# Altium PCB Proyecto_0 - V2.PcbDoc (part 4 of 6)
Units mil, origin at the board's own origin, x right, y up, seen from the top; angles counter-clockwise.
Board outline 2559.06 x 1771.65 mil, 10 copper layers (TOP, GND[1], VDD[1], Signal[1], GND[2], VDD[2], Signal[2], GND[3], VDD[3], BOT), stack 79.883 mil thick; 188 components, 257 nets, 1108 pads, 915 vias.
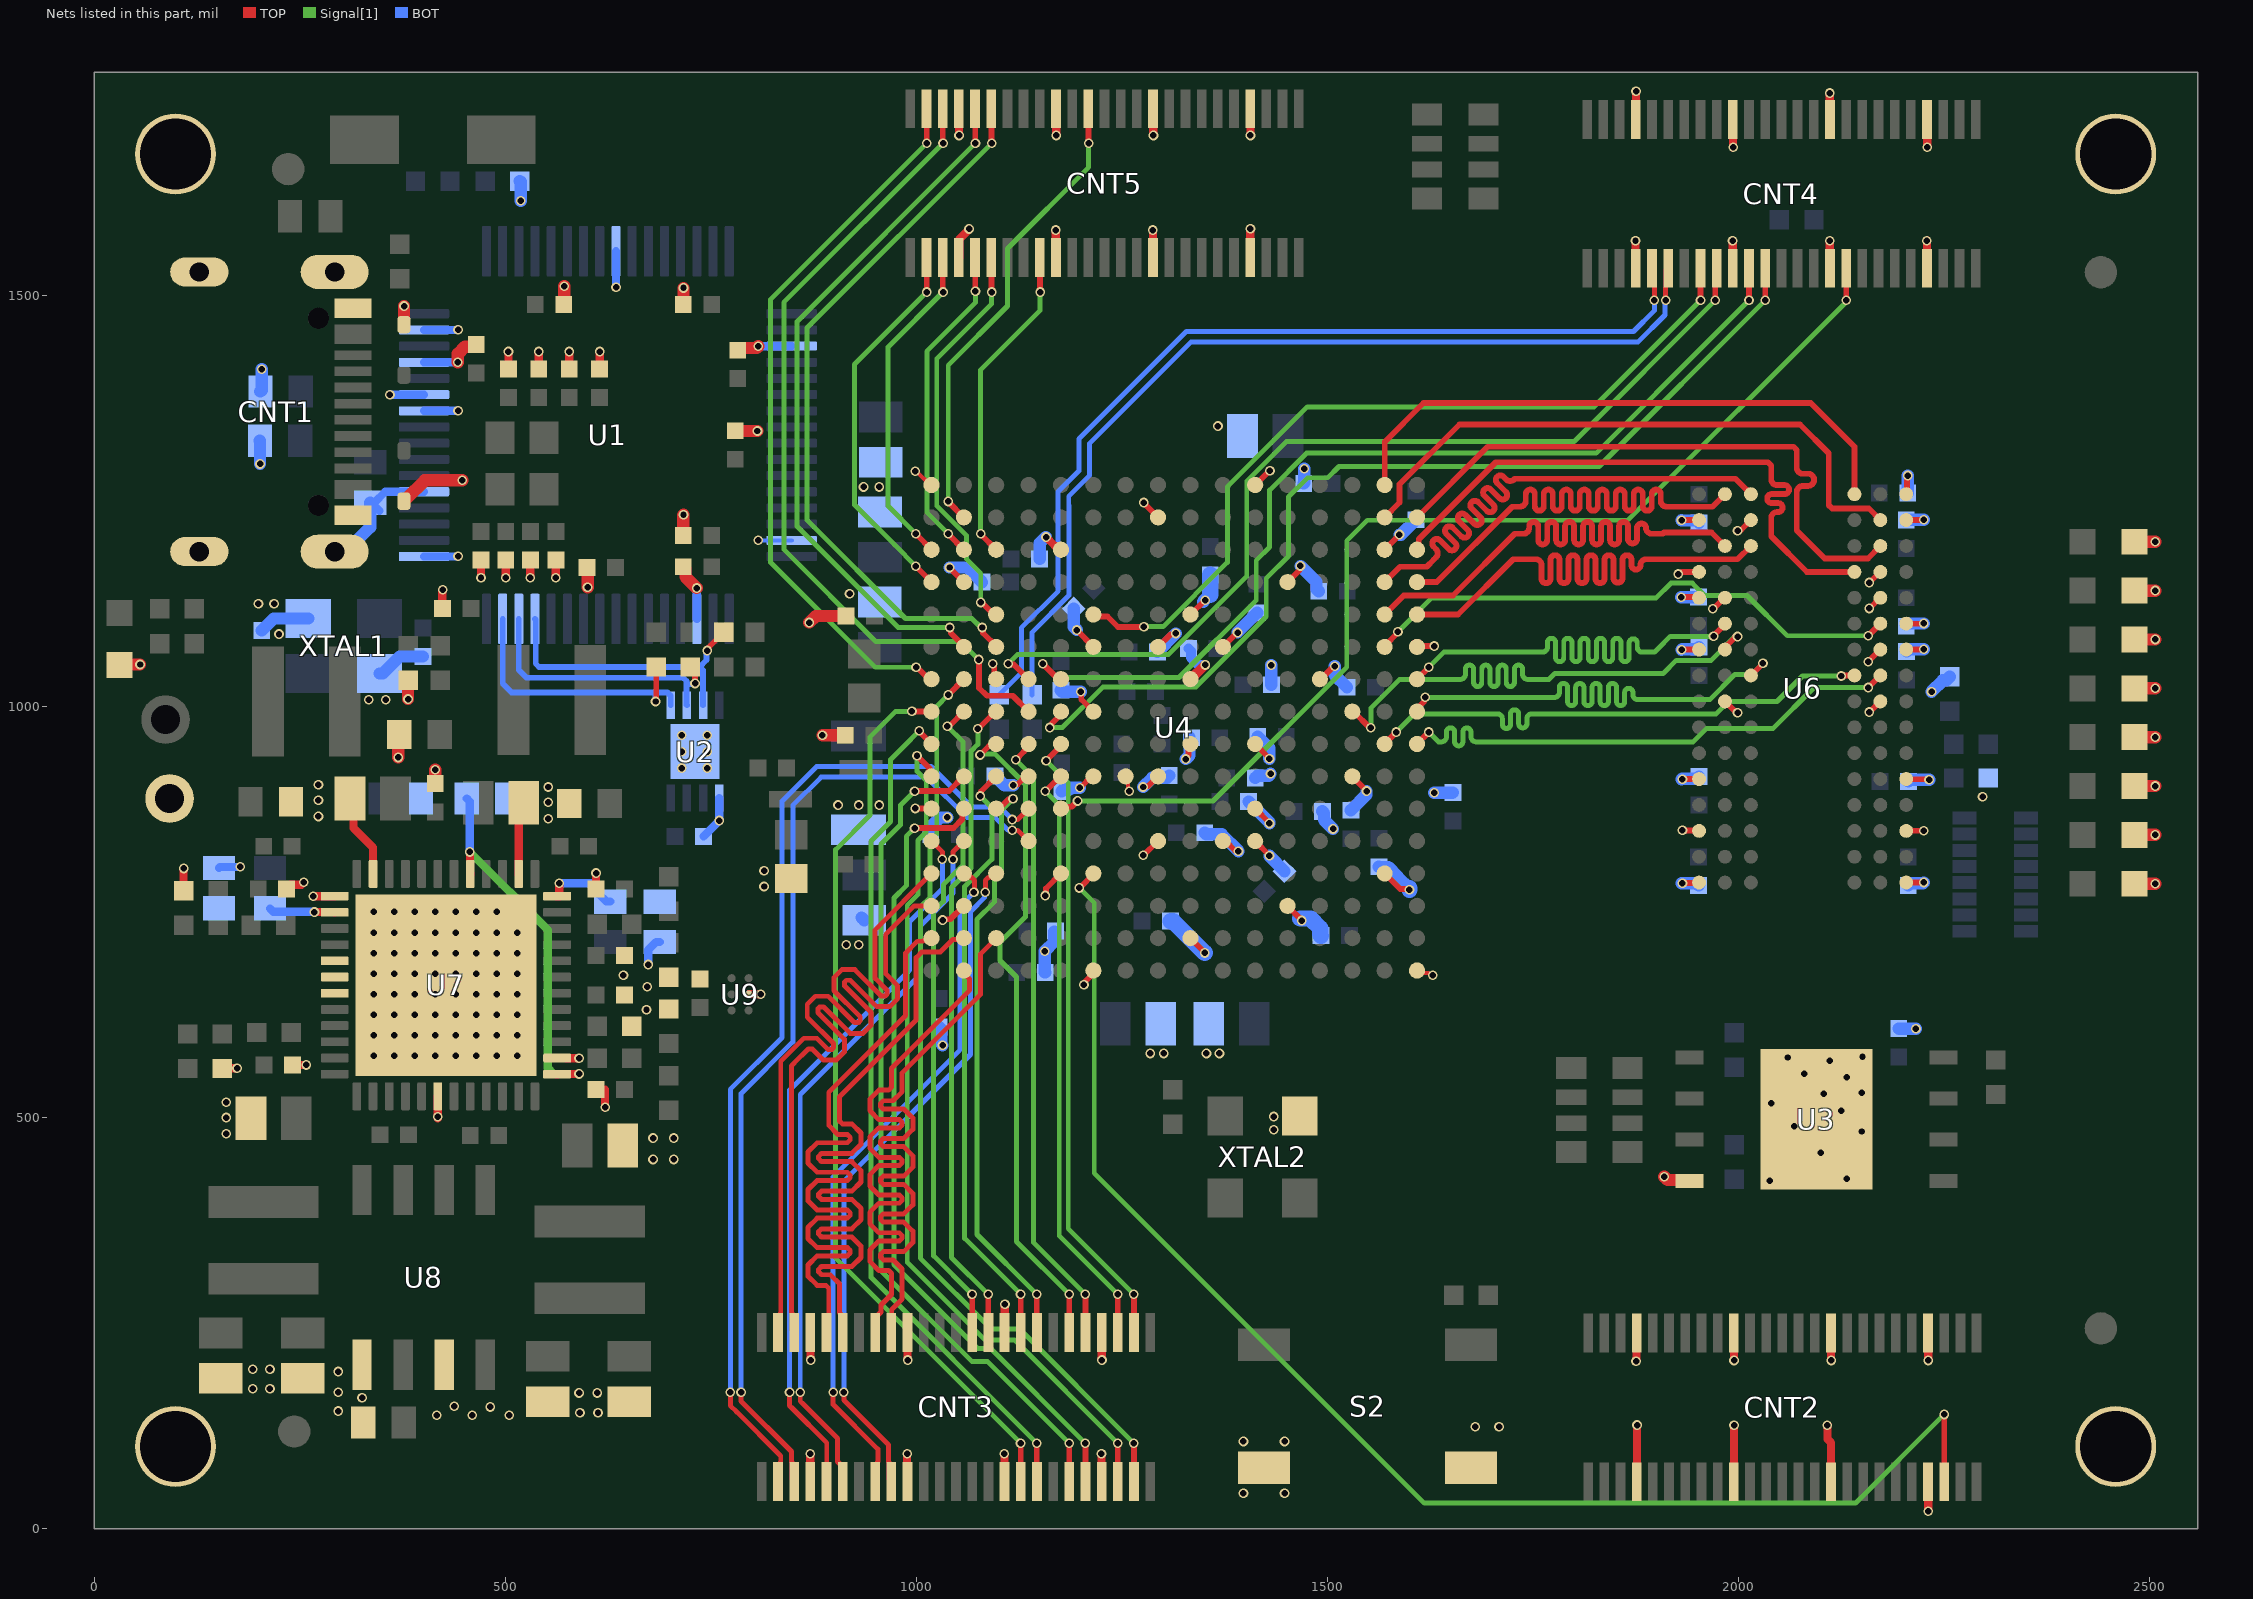
[diagram p12: the nets of this part, all layers, seen from the top]

## Via types
v1: diameter 11.81, hole 7.87, TOP to BOT, 915 vias

## Nets (pads, with @x,y where several pads share a name; then routed paths per layer and width w, separated by ;. In a path a pad name is that pad's centre, name@x,y a point inside that pad or via, vN(x,y) a via of type N, cw(c..) or ccw(c..) an arc to the next point about the centre after c; other vN are vias at no path point) (continued)
DQ2: U4.G16 U6.F2 | length 668
  TOP w7: U4.G16@1609.16,1033.12 1609.16,1033.25 1623.37,1047.46 v1(1623.37,1047.59) ; v1(1969.87,1085.32) 1969.87,1086.07 1983.72,1099.92 U6.F2@1983.72,1100.67
  Signal[1] w6: v1(1623.37,1047.59) 1641.78,1066 1758.73,1066 1761.73,1066 ccw(c1761.73,1072) 1767.73,1072 1767.73,1077.94 cw(c1772.69,1077.94) 1777.66,1077.94 1777.66,1059.47 ccw(c1782.63,1059.47) 1787.6,1059.47 1787.6,1077.94 cw(c1792.57,1077.94) 1797.54,1077.94 1797.54,1059.47 ccw(c1802.51,1059.47) 1807.47,1059.47 1807.47,1077.94 cw(c1812.44,1077.94) 1817.41,1077.94 1817.41,1059.47 ccw(c1822.38,1059.47) 1827.35,1059.47 1827.35,1077.94 cw(c1832.32,1077.94) 1837.28,1077.94 1837.28,1059.47 ccw(c1842.25,1059.47) 1847.22,1059.47 1847.22,1077.94 cw(c1852.19,1077.94) 1857.16,1077.94 1857.16,1059.47 ccw(c1862.13,1059.47) 1867.1,1059.47 1867.1,1077.22 cw(c1872.06,1077.22) 1877.03,1077.22 1877.03,1072 ccw(c1883.03,1072) 1883.03,1066 1898,1066 1903,1071 1917.32,1085.32 v1(1969.87,1085.32)
DQ3: U4.F15 U6.F8 | length 669
  TOP w7: U4.F15@1569.79,1072.49 1569.79,1073.64 1586,1089.85 v1(1586,1091) ; v1(2158,1085.99) U6.F8@2172.7,1100.67
  Signal[1] w6: v1(1586,1091) 1627,1132 1900,1132 1918,1150 1944,1150 1959,1135 2010.54,1135 2059.54,1086 v1(2158,1085.99)
DQ4: U4.H16 U6.H3 | length 668.7
  TOP w7: U4.H16@1609.16,993.74 1609.16,997.18 1618.08,1006.09 1618.08,1010.08 v1(1619,1011) ; U6.H3@2015.22,1037.68 v1(2029.91,1052.36)
  Signal[1] w6: v1(1619,1011) 1773.27,1011 1776.27,1011 ccw(c1776.27,1017) 1782.27,1017 1782.27,1023.04 cw(c1787.24,1023.04) 1792.21,1023.04 1792.21,1005.96 ccw(c1797.18,1005.96) 1802.15,1005.96 1802.15,1023.04 cw(c1807.12,1023.04) 1812.08,1023.04 1812.08,1005.96 ccw(c1817.05,1005.96) 1822.02,1005.96 1822.02,1023.04 cw(c1826.99,1023.04) 1831.96,1023.04 1831.96,1005.96 ccw(c1836.93,1005.96) 1841.89,1005.96 1841.89,1023.04 cw(c1846.86,1023.04) 1851.83,1023.04 1851.83,1005.96 ccw(c1856.8,1005.96) 1861.77,1005.96 1861.77,1017.09 cw(c1866.74,1017.09) 1871.71,1017.09 1871.71,1014.26 ccw(c1877.71,1014.26) 1877.71,1008.26 1915.64,1008.26 1965.26,1008.26 1996,1039 2016.55,1039 v1(2029.91,1052.36)
DQ5: U4.J16 U6.H8 | length 667.8
  TOP w7: U4.J16@1609.16,954.37 1609.16,954.53 1623.37,968.74 v1(1623.37,968.89) ; v1(2158,1023) U6.H8@2172.7,1037.68
  Signal[1] w6: v1(1623.37,968.89) 1635.26,957 1636,957 1639,957 ccw(c1639,963) 1645,963 1645,969.05 cw(c1649.97,969.05) 1654.94,969.05 1654.94,956.97 ccw(c1659.91,956.97) 1664.87,956.97 1664.87,968.84 cw(c1669.84,968.84) 1674.81,968.84 1674.81,963 ccw(c1680.81,963) 1680.81,957 1705.44,957 1945,957 1961,973 2042,973 2092,1023 v1(2158,1023)
DQ6: U4.H14 U6.G2 | length 709.6
  TOP w7: U4.H14@1530.42,993.74 1531.95,993.74 1551.7,974 v1(1553,974) ; U6.G2@1983.29,1069.82 1983.29,1070.99 1996,1083.7 v1@1996,1085
  Signal[1] w6: v1(1553,974) 1553,998 1588,1033 1659,1033 1662,1033 ccw(c1662,1039) 1668,1039 1668,1045.31 cw(c1672.97,1045.31) 1677.94,1045.31 1677.94,1029.27 ccw(c1682.91,1029.27) 1687.87,1029.27 1687.87,1045.31 cw(c1692.84,1045.31) 1697.81,1045.31 1697.81,1029.27 ccw(c1702.78,1029.27) 1707.75,1029.27 1707.75,1045.31 cw(c1712.72,1045.31) 1717.69,1045.31 1717.69,1029.27 ccw(c1722.65,1029.27) 1727.62,1029.27 1727.62,1045.31 cw(c1732.59,1045.31) 1737.56,1045.31 1737.56,1039 ccw(c1743.56,1039) 1743.56,1033 1769.75,1033 1776.75,1040 1908.5,1040 1924.5,1056 1967,1056 v1@1996,1085
  other v1: 1999,1085
DQ7: U4.J15 U6.H7 | length 667.8
  TOP w7: U4.J15@1569.79,954.37 1569.79,954.53 1584,968.74 v1(1584,968.89) ; v1(2125,1037.01) 2125.67,1037.68 U6.H7@2141.2,1037.68
  Signal[1] w6: v1(1584,968.89) 1606.11,991 1694,991 1706.94,991 cw(c1706.94,985) 1712.94,985 1712.94,978.22 ccw(c1717.91,978.22) 1722.87,978.22 1722.87,991.03 cw(c1727.84,991.03) 1732.81,991.03 1732.81,978.9 ccw(c1737.78,978.9) 1742.75,978.9 1742.75,985 cw(c1748.75,985) 1748.75,991 1763.03,991 1973,991 1988,1006 2047,1006 2078.01,1037.01 v1(2125,1037.01)
DQ8: U4.C16 U6.D7 | length 748.5
  TOP w7: U4.C16@1609.16,1190.6 1611.26,1192.69 1611.26,1203.26 1705,1297 2035.9,1297 2040,1292.9 2040,1279.72 2040,1276.22 ccw(c2047,1276.22) 2047,1269.22 2056.15,1269.22 cw(c2056.15,1263.75) 2056.15,1258.28 2040.47,1258.28 ccw(c2040.47,1252.81) 2040.47,1247.34 2048.3,1247.34 cw(c2048.3,1241.88) 2048.3,1236.41 2047,1236.41 ccw(c2047,1229.41) 2040,1229.41 2040,1211.79 2040,1207 2083.33,1163.67 U6.D7@2141.2,1163.67
DQ9: U4.E16 U6.C3 | length 747.8
  TOP w7: U4.E16@1609.16,1111.86 1659.14,1111.86 1726.29,1179 1739.18,1179 1753.61,1179 cw(c1753.61,1172) 1760.61,1172 1760.61,1155.35 ccw(c1766.08,1155.35) 1771.55,1155.35 1771.55,1178.53 cw(c1777.02,1178.53) 1782.49,1178.53 1782.49,1155.35 ccw(c1787.96,1155.35) 1793.43,1155.35 1793.43,1178.53 cw(c1798.89,1178.53) 1804.36,1178.53 1804.36,1155.35 ccw(c1809.83,1155.35) 1815.3,1155.35 1815.3,1178.53 cw(c1820.77,1178.53) 1826.24,1178.53 1826.24,1155.35 ccw(c1831.71,1155.35) 1837.17,1155.35 1837.17,1178.53 cw(c1842.64,1178.53) 1848.11,1178.53 1848.11,1155.95 ccw(c1853.58,1155.95) 1859.05,1155.95 1859.05,1178.53 cw(c1864.52,1178.53) 1869.98,1178.53 1869.98,1172 ccw(c1875.45,1172) 1880.92,1172 cw(c1887.92,1172) 1887.92,1179 1905.25,1179 1999.06,1179 U6.C3@2015.22,1195.16
DQ10: U4.B16 U6.C8 | length 748.7
  TOP w7: U4.B16@1609.16,1229.97 1695.2,1316 2066.9,1316 2071,1311.9 2071,1294 2071,1290.5 ccw(c2078.44,1290.5) 2078.44,1283.06 2084.72,1283.06 cw(c2084.72,1275.63) 2084.72,1268.19 2078.44,1268.19 ccw(c2078.44,1260.75) 2071,1260.75 2071,1241.45 2071,1214 2105,1180 2157.54,1180 U6.C8@2172.7,1195.16
DQ11: U4.E15 U6.C2 | length 747.9
  TOP w7: U4.E15@1569.79,1111.86 1569.86,1111.86 1569.86,1111.92 1592.94,1135 1653,1135 1728,1210 1735.05,1210 1738.55,1210 ccw(c1738.55,1217) 1745.55,1217 1745.55,1219.07 cw(c1751.02,1219.07) 1756.48,1219.07 1756.48,1202.47 ccw(c1761.95,1202.47) 1767.42,1202.47 1767.42,1219.07 cw(c1772.89,1219.07) 1778.36,1219.07 1778.36,1202.47 ccw(c1783.83,1202.47) 1789.29,1202.47 1789.29,1219.07 cw(c1794.76,1219.07) 1800.23,1219.07 1800.23,1202.47 ccw(c1805.7,1202.47) 1811.17,1202.47 1811.17,1219.07 cw(c1816.64,1219.07) 1822.11,1219.07 1822.11,1202.47 ccw(c1827.57,1202.47) 1833.04,1202.47 1833.04,1219.07 cw(c1838.51,1219.07) 1843.98,1219.07 1843.98,1202.47 ccw(c1849.45,1202.47) 1854.92,1202.47 1854.92,1219.07 cw(c1860.39,1219.07) 1865.85,1219.07 1865.85,1203.68 ccw(c1871.32,1203.68) 1876.79,1203.68 1876.79,1217 cw(c1882.26,1217) 1887.73,1217 ccw(c1894.73,1217) 1894.73,1210 1908.25,1210 1909.66,1211.41 1967.48,1211.41 U6.C2@1983.72,1195.16
DQ12: U4.A15 U6.A7 | length 723.1
  TOP w7: U4.A15@1569.79,1269.34 1569.79,1321.79 1617,1369 2088,1369 2141.2,1315.8 U6.A7@2141.2,1258.15
DQ13: U4.D16 U6.A2 | length 745.7
  TOP w7: U4.D16@1609.16,1151.23 1633.23,1151.23 1725,1243 1731,1243 1734.5,1243 ccw(c1734.5,1250) 1741.5,1250 1741.5,1258.36 cw(c1746.97,1258.36) 1752.44,1258.36 1752.44,1243.47 ccw(c1757.91,1243.47) 1763.37,1243.47 1763.37,1258.36 cw(c1768.84,1258.36) 1774.31,1258.36 1774.31,1243.47 ccw(c1779.78,1243.47) 1785.25,1243.47 1785.25,1258.36 cw(c1790.72,1258.36) 1796.19,1258.36 1796.19,1243.47 ccw(c1801.65,1243.47) 1807.12,1243.47 1807.12,1258.36 cw(c1812.59,1258.36) 1818.06,1258.36 1818.06,1243.47 ccw(c1823.53,1243.47) 1829,1243.47 1829,1258.36 cw(c1834.46,1258.36) 1839.93,1258.36 1839.93,1243.47 ccw(c1845.4,1243.47) 1850.87,1243.47 1850.87,1258.36 cw(c1856.34,1258.36) 1861.81,1258.36 1861.81,1243.47 ccw(c1867.28,1243.47) 1872.74,1243.47 1872.74,1258.36 cw(c1878.21,1258.36) 1883.68,1258.36 1883.68,1243.47 ccw(c1889.15,1243.47) 1894.62,1243.47 1894.62,1258.36 cw(c1900.09,1258.36) 1905.56,1258.36 1905.56,1250 ccw(c1912.56,1250) 1912.56,1243 1929.82,1243 1968.57,1243 U6.A2@1983.72,1258.15
DQ14: U4.B15 U6.B8 | length 747.8
  TOP w7: U4.B15@1569.79,1229.97 1588,1248.17 1588,1270.14 1660.86,1343 1877,1343 2050,1343 2075,1343 2110,1308 2110,1244.72 2114.1,1240.62 2158.73,1240.62 U6.B8@2172.7,1226.66
DQ15: U4.D15 U6.A3 | length 742.4
  TOP w7: U4.D15@1569.79,1151.23 1588.57,1170 1621,1170 1629.89,1178.89 1632.36,1181.36 ccw(c1627.41,1186.31) 1632.36,1191.26 1629.26,1194.37 cw(c1633.12,1198.24) 1629.26,1202.1 cw(c1633.12,1198.24) 1636.99,1202.1 1647.72,1191.38 ccw(c1651.58,1195.24) 1655.45,1191.38 ccw(c1651.58,1195.24) 1655.45,1199.11 1644.72,1209.84 cw(c1648.59,1213.7) 1644.72,1217.57 cw(c1648.59,1213.7) 1652.46,1217.57 1663.18,1206.85 ccw(c1667.05,1210.71) 1670.92,1206.85 ccw(c1667.05,1210.71) 1670.92,1214.58 1660.19,1225.3 cw(c1664.06,1229.17) 1660.19,1233.04 cw(c1664.06,1229.17) 1667.93,1233.04 1678.65,1222.31 ccw(c1682.52,1226.18) 1686.38,1222.31 ccw(c1682.52,1226.18) 1686.38,1230.05 1675.66,1240.77 cw(c1679.53,1244.64) 1675.66,1248.5 cw(c1679.53,1244.64) 1683.39,1248.5 1694.12,1237.78 ccw(c1697.98,1241.65) 1701.85,1237.78 ccw(c1697.98,1241.65) 1701.85,1245.51 1691.13,1256.24 cw(c1694.99,1260.1) 1691.13,1263.97 cw(c1694.99,1260.1) 1698.86,1263.97 1709.58,1253.25 ccw(c1713.45,1257.11) 1717.32,1253.25 ccw(c1713.45,1257.11) 1717.32,1260.98 1706.59,1271.71 cw(c1710.46,1275.57) 1706.59,1279.44 cw(c1710.46,1275.57) 1714.33,1279.44 1717.43,1276.33 ccw(c1722.38,1281.28) 1727.33,1276.33 1728,1277 1741.93,1277 1996.37,1277 U6.A3@2015.22,1258.15
E1: CNT5.24 U4.D1 | length 470.1
  TOP w7: v1(999.63,1170.63) 999.63,1170.21 U4.D1@1018.61,1151.23 ; CNT5.24@1012.52,1545.9 1012.76,1545.66 1012.76,1504.24 v1(1013,1504)
  Signal[1] w6: v1(999.63,1170.63) 973.73,1196.53 925,1245.26 925,1416 v1(1013,1504)
E2: CNT5.37 U4.B2 | length 575.1
  TOP w7: v1@1039,1248.95 U4.B2@1057.98,1229.97 ; CNT5.37@1209.61,1726.76 1209.61,1685.34 v1(1209.85,1685.1)
  Signal[1] w6: v1(1039,1249.37) 1039,1415 1111,1487 1111,1557 1209.85,1655.85 v1(1209.85,1685.1)
E3: CNT5.17 U4.C3 | length 393
  TOP w7: v1(1078.37,1210) 1078.37,1209.58 U4.C3@1097.35,1190.6 ; CNT5.17@1150.56,1545.66 1150.56,1504.24 v1(1150.8,1504)
  Signal[1] w6: v1(1078.37,1210) 1078.37,1409.37 1150.8,1481.8 v1(1150.8,1504)
E5: CNT5.21 U4.C2 | length 398.3
  TOP w7: v1(1039,1210) 1039,1209.58 U4.C2@1057.98,1190.6 ; CNT5.21@1071.81,1545.66 1071.81,1505.2 v1(1072.06,1504.96)
  Signal[1] w6: v1(1039,1210) 1013,1236 1013,1432 1072.06,1491.06 v1(1072.06,1504.96)
E6: CNT4.14 U4.H5 | length 1218.9
  TOP w7: v1(1162.4,974.31) 1162.4,975.61 1165,978.21 1165,979.22 1176.09,990.31 U4.H5@1176.09,993.74 ; v1@2032.66,1494.03 CNT4.14@2032.69,1532.9
  Signal[1] w6: v1(1162.4,974.31) 1177.88,974.31 1227.48,1023.91 1340.37,1023.91 1425.82,1109.35 1425.82,1155.7 1452.85,1182.73 1452.85,1254.89 1476.15,1278.19 1500.58,1278.19 1514.29,1291.91 1830.54,1291.91 v1(2032.63,1494)
EEPROM_CLK: R5.1 U1.62 U2.2 | length 334.5
  TOP w7: R5.1@725,1048 731,1042 v1(731,1028)
  BOT w7: U1.62@516.73,1106.38 516.73,1044.27 526,1035 716.48,1035 720.58,1030.9 720.58,1027 ; U2.2@721.16,1001.5 720.58,1002.07 720.58,1027 ; v1(731,1028) 730.08,1027.08 720.66,1027.08 720.58,1027
EEPROM_CS: R6.1 U1.63 U2.1 | length 353.9
  TOP w7: v1(683,1006) 684,1007 R6.1@684,1048
  BOT w7: U1.63@497.05,1106.38 497.05,1027.95 508,1017 683,1017 ; v1(683,1006) 683,1017 ; U2.1@701.47,1001.5 701.47,1012.91 697.39,1017 683,1017
EEPROM_DATA: R9.2 U1.61 U2.3 | length 358.2
  TOP w7: v1(746,1068) 746.92,1068.92 746.92,1070.92 R9.2@766,1090
  BOT w7: U1.61@536.42,1106.38 537.15,1105.64 537.15,1052.1 541.25,1048 736.74,1048 ; U2.3@740.84,1001.5 740.84,1043.9 736.74,1048 ; v1(746,1068) 745.08,1067.08 745.08,1056.34 736.74,1048
Enable_CH1y5: R24.1 R27.2 U7.5 U7.37 | length 463.6
  TOP w10: v1(457,823) 457.26,822.74 457.26,796.5 U7.5@457.53,796.24 ; U7.37@563.24,552.73 563.37,552.87 589.87,552.87 v1(590,553)
  Signal[1] w10: v1(457,823) 552,728 552,560 559,553 v1(590,553)
  BOT w10: R27.2@453.39,888 457,884.39 v1(457,823)
Enable_CH3: R25.1 R28.2 U7.48 | length 92.5
  TOP w10: U7.48@563.24,769.27 565.68,769.27 566,769.58 v1(566,785)
  BOT w10: v1(566,785) 605.61,785 613.31,777.29 613.31,772.37 623.08,762.61 R25.1@628,762.61
Enable_CH4: R26.1 R29.2 U7.14 | length 80.8
  TOP w10: v1(268.1,749.9) 292.45,749.9 U7.14@292.76,749.58
  BOT w10: R26.1@214,754.39 218.15,750.24 267.76,750.24 v1(268.1,749.9)
F2: CNT5.23 U4.C1 | length 404.7
  TOP w7: v1(999.63,1210) 999.63,1209.58 U4.C1@1018.61,1190.6 ; CNT5.23@1032.44,1545.66 1032.44,1504.24 v1(1032.69,1504)
  Signal[1] w6: v1(999.63,1210) 965.91,1243.72 965.91,1437.22 v1(1032.69,1504)
F3: CNT5.30 U4.F2 | length 865.3
  TOP w7: v1(1041,1096) 1041.92,1095.08 1041.92,1089.43 1057.98,1073.37 U4.F2@1057.98,1072.49 ; CNT5.30@1071.81,1726.76 1071.81,1685.34 v1(1072.06,1685.1)
  Signal[1] w6: v1(1041,1096) 978,1096 855,1219 855,1468.05 v1(1072.06,1685.1)
F4: CNT5.31 U4.F3 | length 891
  TOP w7: v1(1080.37,1096) 1081.29,1095.08 1081.29,1089.43 1097.35,1073.37 U4.F3@1097.35,1072.49 ; CNT5.31@1091.5,1726.76 1091.5,1685.34 v1(1091.74,1685.1)
  Signal[1] w6: 867,1227 987,1107 1067.8,1107 1078.8,1096 v1(1080.37,1096) ; 867.25,1227 867.25,1460.61 v1(1091.74,1685.1)
F5: CNT5.20 U4.E3 | length 494
  TOP w7: v1(1078.57,1126.44) 1079.87,1126.44 1094.46,1111.86 U4.E3@1097.35,1111.86 ; CNT5.20@1091.5,1545.66 1091.5,1504.24 v1(1091.74,1504)
  Signal[1] w6: v1(1078.57,1126.44) 1078.57,1162.01 1061,1179.58 1061,1208 1025,1244 1025,1423 1091.74,1489.74 v1(1091.74,1504)
G1: CNT3.15 U4.H3 | length 797.1
  TOP w7: v1(1075,973) 1075.8,973 1096.55,993.74 U4.H3@1097.35,993.74 ; v1(1087.63,285) 1087.74,284.89 CNT3.15@1087.74,238.66
  Signal[1] w6: v1(1075,973) 1075,953.81 1066.75,945.57 1066.75,803.32 1043,779.57 1043,329.63 v1(1087.63,285)
G2: CNT3.14 U4.H2 | length 806.8
  TOP w7: v1(1038,976) 1038.92,976.92 1041.16,976.92 U4.H2@1057.98,993.74 ; v1(1067.94,285) 1068.06,284.89 CNT3.14@1068.06,238.66
  Signal[1] w6: v1(1038,976) 1057,957 1057,807 1033,783 1033,763 1021.19,751.19 1021.19,331.76 v1(1067.94,285)
G4: CNT5.27 U4.G1 | length 884.9
  TOP w7: v1(999.82,1047.69) 1001.12,1047.69 1015.7,1033.12 U4.G1@1018.61,1033.12 ; CNT5.27@1012.76,1726.76 1012.76,1685.34 v1(1013,1685.1)
  Signal[1] w6: v1(999.82,1047.69) 950.31,1047.69 823,1175 823,1495.1 v1(1013,1685.1)
G5: CNT5.28 U4.H4 | length 1015.4
  TOP w7: CNT5.28@1032.44,1726.76 1032.44,1685.34 v1(1032.69,1685.1) ; v1(1076,1057) 1076.5,1056.5 1076.5,1022.5 1086,1013 1117.47,1013 U4.H4@1136.72,993.74
  Signal[1] w6: v1(1032.69,1685.1) 839,1491.42 839,1191 951,1079 1054,1079 v1(1076,1057)
GND: C1.1 C2.1 C3.1 C4.1 C5.1 C6.1 C7.1 C8.1 C9.2 C10.1 C11.1 C12.1 C13.1 C14.1 C15.1 C16.1 C17.1 C18.1 C19.1 C21.1 C22.1 C23.1 C24.1 C25.1 C26.1 C27.1 C28.1 C29.1 C30.1 C31.1 C32.1 C33.1 C34.1 C35.1 C36.1 C38.1 C39.1 C40.1 C41.1 C42.1 C43.1 C44.1 C46.1 C47.1 C48.1 C50.1 C51.1 C56.1 C57.1 C58.1 C59.1 C60.1 C61.1 C62.1 C63.1 C64.1 C65.1 C66.1 C67.1 C68.1 C69.1 C70.1 C71.1 C72.1 C73.1 C74.1 C75.1 C76.1 C77.1 C78.1 C79.1 C80.1 C81.1 C82.1 C83.1 C84.1 C86.1 C87.1 C88.1 C90.1 C91.1 C92.1 C94.1 C95.1 C97.1 C98.1 C99.1 C100.1 C101.1 C102.1 C103.2 C104.1 C105.1 CNT1.A1_B12 CNT1.B1_A12 CNT1.SH1 CNT1.SH2 CNT1.SH3 CNT1.SH4 CNT2.4 CNT2.10 CNT2.16 CNT2.22 CNT2.29 CNT2.35 CNT2.41 CNT2.47 CNT3.4 CNT3.10 CNT3.16 CNT3.22 CNT3.29 CNT3.35 CNT3.41 CNT3.47 CNT4.4 CNT4.10 CNT4.16 CNT4.22 CNT4.29 CNT4.35 CNT4.41 CNT4.47 CNT5.4 CNT5.10 CNT5.16 CNT5.22 CNT5.29 CNT5.35 CNT5.41 CNT5.47 D1.A D2.A D3.C D4.C D5.C D6.C D7.C D8.C D9.C D10.C D11.C L4.1 pad. pad.H pad.Supply+@92,888 R1.2 R2.2 R7.1 R10.1 R23.1 R27.1 R28.1 R29.1 R31.2 R34.2 R35.2 R38.2 R41.2 R44.2 R45.1 R48.2 S2.3 S2.4 U1.1 U1.5 U1.10 U1.11 U1.13 U1.15 U1.25 U1.35 U1.47 U1.51 U2.5 U3.4 U3.9 U4.A1 U4.A11 U4.B8 U4.C5 U4.C15 U4.D2 U4.D12 U4.E9 U4.F6 U4.F8 U4.F10 U4.F16 U4.G3 U4.G9 U4.G13 U4.H6 U4.J9 U4.J11 U4.K4 U4.K6 U4.K7 U4.K8 U4.K14 U4.L1 U4.L11 U4.M8 U4.M10 U4.M11 U4.N5 U4.N15 U4.P2 U4.P12 U4.R9 U4.T6 U4.T16 U6.A9 U6.B1 U6.B3 U6.B9 U6.D1 U6.D8 U6.E1 U6.E2 U6.E8 U6.F9 U6.G1 U6.G8 U6.G9 U6.J2 U6.J8 U6.M1 U6.M9 U6.P1 U6.P9 U6.T1 U6.T9 U7.2 U7.11 U7.13 U7.17 U7.18 U7.19 U7.30 U7.38 U7.49 U8.1 U8.3 U9.B2 XTAL1.2 XTAL2.2 | length 6059.5
  TOP w5: v1(999,1286) 1000.47,1286 1017.14,1269.34 U4.A1@1018.61,1269.34 ; U4.K7@1254.83,915 1257.64,912.2 1257.64,898.36 v1(1259.07,896.93) ; U4.T16@1609.16,678.78 1611.97,675.97 1623.5,675.97 1626.31,673.16 v1(1628.16,673.16)
  TOP w7: v1(999,875.89) 999.13,875.76 1018.49,875.76 U4.L1@1018.61,875.63 ; v1(1032.09,740.15) 1033.02,741.07 1041.53,741.07 1057.79,757.33 U4.P2@1057.79,757.52 ; v1@1040.61,1168.6 U4.D2@1057.98,1151.23 ; v1(1093,1052) 1093,1050.7 1094.93,1048.77 1094.93,1035.74 U4.G3@1097.35,1033.31 ; v1(1118,904) 1118.92,904.92 1123.21,904.92 1133.29,915 U4.K4@1136.53,915 ; v1(1157,770) 1157.92,770.92 1157.92,778.72 1175.9,796.7 U4.N5@1175.9,796.89 ; v1(1195.46,1092.88) 1195.46,1092.69 1215.46,1072.68 U4.F6@1215.46,1072.49 ; v1(1199.09,900.97) 1213.13,915 U4.K6@1215.46,915 ; v1(1200,1018) 1200.92,1017.08 1200.92,1008.29 U4.H6@1215.46,993.74 ; v1(1204.1,661.41) 1205.02,662.33 1205.02,664.91 1215.46,675.35 U4.T6@1215.46,678.78 ; v1(1276,902) 1276.92,902.92 1281.93,902.92 U4.K8@1294.01,915 ; v1@1276.63,818.89 U4.M8@1294.01,836.26 ; v1@1276.83,1247.54 U4.B8@1294.2,1230.16 ; U4.F8@1294.2,1072.49 1309.58,1087.86 1314.8,1087.86 v1(1315.72,1088.78) ; v1(1328,936) 1328,937.3 1331.15,940.45 1331.15,951.75 U4.J9@1333.57,954.18 ; U4.R9@1333.57,717.96 v1@1350.95,700.58 ; U4.E9@1333.77,1111.86 v1@1351.15,1129.23 ; U4.M10@1372.94,836.07 1376.57,836.07 1387.72,824.92 1391.08,824.92 v1(1392,824) ; U4.F10@1373.14,1072.49 v1@1390.52,1089.86 ; U4.M11@1412.31,836.07 v1@1429.69,818.69 ; U4.L11@1412.31,875.44 v1@1429.69,858.06 ; U4.J11@1412.31,954.18 v1@1429.69,936.8 ; U4.A11@1412.51,1269.34 U4.A11@1413.09,1269.92 ; U4.A11@1413.09,1269.34 U4.A11@1413.09,1269.92 ; U4.A11@1413.09,1270.91 U4.A11@1413.09,1269.92 ; v1@1429.89,1286.71 U4.A11@1413.09,1269.92 ; U4.P12@1451.68,757.33 v1@1469.06,739.95 ; U4.D12@1451.88,1151.23 1466.49,1165.84 1466.49,1169.92 v1(1467.41,1170.84) ; U4.G13@1491.25,1033.12 1492.09,1033.12 1507.98,1049 v1(1509.02,1049) ; U4.K14@1530.42,914.81 v1@1547.8,897.43 ; U4.N15@1569.79,796.7 1569.99,796.7 1588.77,777.92 1599.08,777.92 v1(1600,777) ; U4.C15@1569.99,1190.6 1569.99,1191.01 1587.76,1208.78 v1(1587.76,1209) ; U4.F16@1609.68,1072.81 1610.3,1073.42 v1(1630.3,1073.42) ; v1(1927,1161) 1928.3,1161 1930.97,1163.67 U6.D1@1952.22,1163.67 ; v1(1930.41,1132.75) 1930.66,1133 U6.E1@1951.7,1133 ; v1@1930.94,911.45 1931.18,911.7 U6.M1@1952.22,911.7 ; v1(1930.94,1068.93) 1931.18,1069.18 U6.G1@1952.22,1069.18 ; v1(1930.94,1226.41) 1931.18,1226.66 U6.B1@1952.22,1226.66 ; v1@1931.32,785.09 1931.64,785.4 1951.91,785.4 U6.T1@1952.22,785.71 ; v1(1931.95,849.47) 1932.33,849.09 1951.84,849.09 U6.P1@1952.22,848.7 ; v1(1969.02,1118.91) 1969.74,1118.91 1983,1132.17 U6.E2@1983.72,1132.17 ; U6.J2@1983.72,1006.19 1997.7,992.2 v1(1999,992.2) ; v1(1999,1213.65) 1999.92,1214.57 2003.13,1214.57 U6.B3@2015.22,1226.66 ; v1(2158,1054.5) U6.G8@2172.7,1069.18 ; v1(2159.07,1119.16) 2159.38,1119.16 2172.39,1132.17 U6.E8@2172.7,1132.17 ; v1(2159.07,1150.66) 2159.38,1150.66 2172.39,1163.67 U6.D8@2172.7,1163.67 ; v1(2159.38,993.18) 2159.69,993.18 U6.J8@2172.7,1006.19 U6.J8@2173.01,1006.19 ; U6.T9@2204.19,785.71 2225.23,785.71 v1(2225.48,785.96) ; U6.P9@2204.19,848.7 2225.23,848.7 v1(2225.48,848.95) ; U6.M9@2204.19,911.7 2204.54,911.35 2231.65,911.35 v1(2232,911) ; U6.G9@2204.19,1069.18 2225.23,1069.18 v1(2225.48,1069.42) ; U6.F9@2204.19,1100.67 2225.23,1100.67 v1(2225.48,1100.92) ; U6.B9@2204.19,1226.66 2225.23,1226.66 v1(2225.48,1226.9) ; v1(2205.9,1280.83) 2205.05,1279.98 2205.05,1260.65 U6.A9@2206.02,1259.67